# Altium PCB BC2087.PcbDoc (part 3 of 6)
Units mil, origin at the board's own origin, x right, y up, seen from the top; angles counter-clockwise.
Board outline 7401.57 x 1181.1 mil, 6 copper layers (Top Copper, Signal Layer 1, Signal Layer 2, Signal Layer 3, Signal Layer 4, Bottom Copper), stack 62.874 mil thick; 302 components, 237 nets, 1184 pads, 867 vias.
Unrouted connection lines stored in the file: 315.
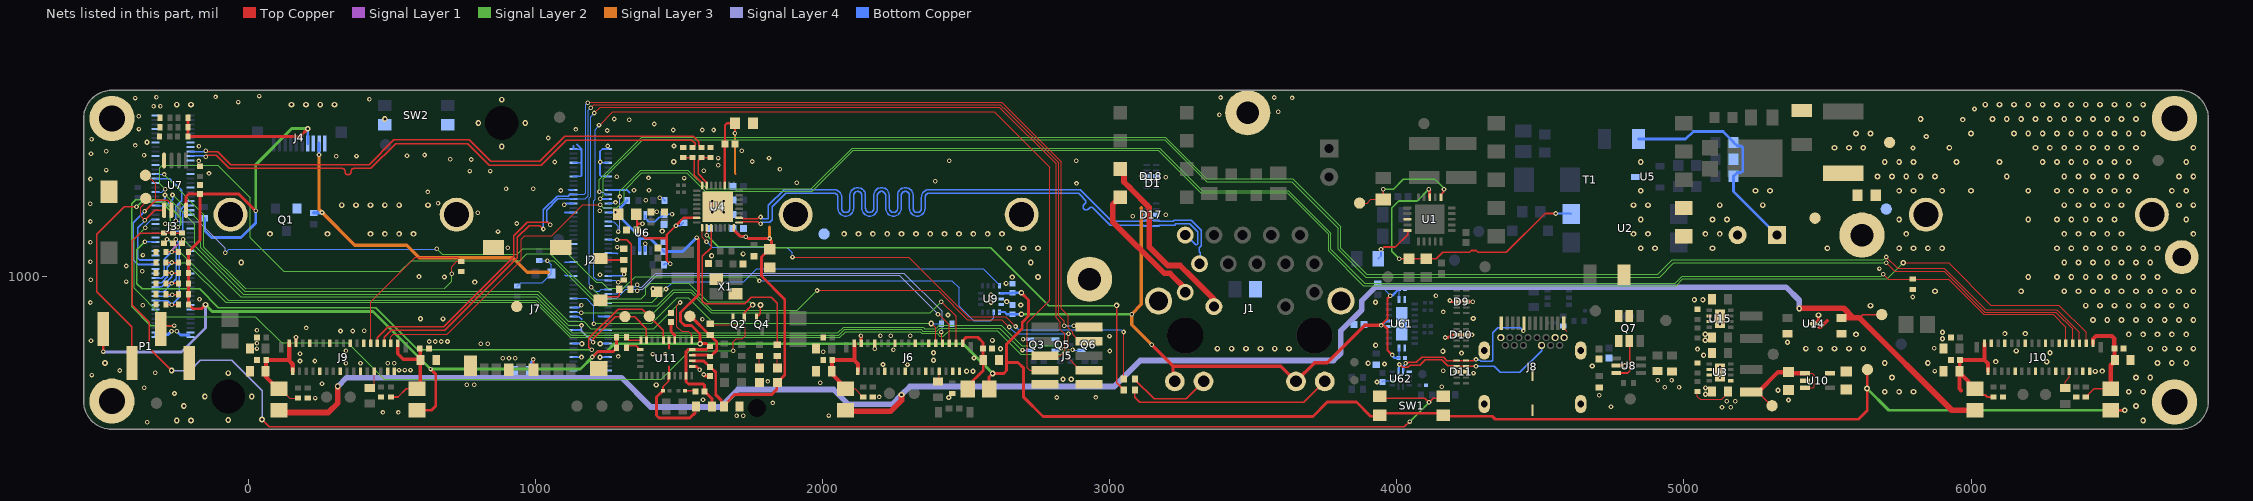
[diagram p7: the nets of this part, all layers, seen from the top]

## Via types
v1: diameter 20, hole 10, Top Copper to Bottom Copper, 273 vias
v2: diameter 16, hole 8, Top Copper to Bottom Copper, tented both sides, 243 vias
v3: diameter 15.98, hole 7.99, Top Copper to Bottom Copper, tented both sides, 201 vias
v4: diameter 18, hole 8, Top Copper to Bottom Copper, tented both sides, 70 vias
v5: diameter 16, hole 7.95, Top Copper to Bottom Copper, tented both sides, 36 vias
v6: diameter 20, hole 10, Top Copper to Bottom Copper, tented both sides, 26 vias
v7: diameter 16, hole 8, Top Copper to Bottom Copper, 17 vias
v8: diameter 19.68, hole 11.81, Top Copper to Bottom Copper, tented both sides, 1 vias

## Nets (pads, with @x,y where several pads share a name; then routed paths per layer and width w, separated by ;. In a path a pad name is that pad's centre, name@x,y a point inside that pad or via, vN(x,y) a via of type N, cw(c..) or ccw(c..) an arc to the next point about the centre after c; other vN are vias at no path point) (continued)
1V8: C12.2 C18.2 C19.2 C52.2 C60.2 C120.2 FB5.1 FB8.1 FB11.1 J4.7 P1.1 R1.2 R2.2 R7.2 R9.2 R16.2 R31.2 R50.2 R68.2 R72.1 R73.1 R79.1 R128.2 R129.2 R130.2 SW1.2 SW1.4 TP16.1 U6.3 U7.8 U9.5 U10.5 U11.5 U11.28 | length 11933.2
  Top Copper w10: P1.1@-506.43,818.06 -506.43,740.43 v2(-506,740) ; U7.8@-217.52,1232.28 -217.52,1280.29 -208.68,1289.13 C120.2@-169.29,1289.13 ; R130.2@-210.63,1554.35 -211.12,1553.85 -211.12,1489.67 R129.2@-211.61,1489.17 179.17,1489.17 v6(206,1516) ; v6(-150,903.41) -164.41,889 -194.06,889 R1.2@-208.66,903.6 R2.2@-208.66,939.96 R7.2@-208.66,977.36 R9.2@-208.66,1013.78 R16.2@-208.66,1050.2 R68.2@-208.66,1086.61 -208.66,1088.58 -169.29,1127.95 C120.2@-169.29,1289.13 ; v5(25,1230) -34.13,1289.13 C120.2@-169.29,1289.13 ; FB8.1@586.61,535.43 637.43,535.43 652,550 652,661 v5(634,679) ; v5@1197.86,721 1216.86,740 1270.25,740 1281.28,751.03 R73.1@1281.28,753 R72.1@1281.28,790 ; v5(1561,1137) 1567,1131 1567,938 1505,876 1505,845 1519.21,830.79 1543.2,830.79 1573,800.98 v6(1573,767) 1574.05,768.05 1594.7,768.05 R31.2@1605.03,757.72 ; R31.2@1607,757.72 R31.2@1605.03,757.72 ; C18.2@1614.32,548.35 1614.32,575.43 C19.2@1588.75,601 1588.75,622.39 1584.14,627 1532,627 1523.9,635.1 U11.28@1523.9,656 1523.9,740.75 1530.19,747.05 U11.5@1546.04,747.05 1594.36,747.05 R31.2@1605.03,757.72 ; FB11.1@2579.61,610.24 2579.61,651.55 v6(2592,663.94) 2630.47,663.94 2640,673.47 2640,701.74 ; v6(2691.86,944.88) 2717,919.75 2717,863.6 2695,841.6 2695,820.59 2640,765.59 2640,701.74 ; 5638.56,536.95 5638.56,534.56 ; TP16.1@5638.56,676.56 5638.56,534.56 ; FB5.1@6486.76,535.43 v6(6535.57,535.43) ; 2640,701.74 2680.26,701.74 2700,682 2700,581 2767,514 3707.62,514 3757.62,564 3859,564 3908.24,514.76 3937.08,514.76 3941,510.84 3955.16,525 4147.32,525 4161.47,510.84 4165.39,514.76 4332.24,514.76 4343,504 5608,504 5638.56,534.56
  Signal Layer 2 w10: v6(-150,903.41) -126.59,880 433,880 v5(634,679) 1156,679 v5@1197,720 ; v5(25,1230) 25,1391 150.5,1516.5 205.5,1516.5 v6(206,1516) ; v5(1197,721) 1216,740 1247,740 1274,767 v6(1573,767) 2488.94,767 v6(2592,663.94) ; v6(5638,611) 5713.57,535.43 v6(6535.57,535.43)
  Signal Layer 4 w10: v2(-506,740) -504,738 -233.56,738 -150,821.56 v6(-150,903.41)
  Bottom Copper w10: R79.1@-153.29,1203.61 -153.29,1161.6 -128.7,1137 -26,1137 25,1188 v5(25,1230) ; J4.7@206.03,1465.03 v6(206,1516) ; R50.2@1318.5,1266.18 1318.5,1264.21 1297.68,1243.39 1297.68,1205.5 1362.09,1141.09 1362.09,1133 ; U6.3@1362.09,1092.12 1362.09,1133 ; v5(1561,1137) 1512.18,1088.18 C52.2@1446.73,1088.18 1439.53,1095.39 1437.61,1095.39 1400,1133 1362.09,1133 ; U9.5@2621.71,942.91 2621.79,942.99 2659.53,942.99 C12.2@2661.42,944.88 v6(2691.86,944.88)
  other v4: 2527,717.75
1V8_CAM_M: C71.2 C72.2 FB11.2 J6.1 | length 275.2
  Top Copper w9.84: J6.1@2488.04,768.34 2489.02,769.32 2489.02,778.54 2500.07,789.59 2540.21,789.59 2557.84,771.95 C71.2@2557.84,750.22 2558.54,749.52 C72.2@2558.54,711.24 ; FB11.2@2504.81,610.24 2504.81,619.67 2559.23,674.1 C72.2@2559.23,710.55
1V8_L: C80.2 C81.2 FB5.2 J10.1 R35.1 | length 379
  Top Copper w5.91: R35.1@6399.75,581.69 6401.72,581.69 6407.63,587.6 6407.63,589.57 6428.29,610.24 FB5.2@6486.76,610.24
  Top Copper w15: J10.1@6425.05,768.34 6425.2,768.49 6425.2,783.46 6435.77,794.04 6490.43,794.04 6499.22,785.25 C80.2@6499.22,750.22 6500.2,749.23 6500.2,711.53 C81.2@6501.19,710.55 6501.19,706.61 6486.76,692.18 FB5.2@6486.76,610.24
1V8_R: C86.2 C87.2 FB8.2 J9.1 R40.1 | length 372.5
  Top Copper w5.91: R40.1@495.79,581.69 520.67,581.69 549.21,610.24 FB8.2@586.61,610.24
  Top Copper w11.81: J9.1@519.54,768.34 519.54,732.28 539.22,712.6 596.49,712.6 C87.2@598.55,710.55 ; FB8.2@586.61,610.24 598.43,622.05 598.43,710.42 C87.2@598.55,710.55 ; C86.2@596.46,750.22 597.5,749.17 597.5,711.59 C87.2@598.55,710.55
2V8: C66.2 FB4.1 FB7.1 FB10.1 TP23.1 U14.1 | length 6907.7
  Top Copper w5.91: 5611.22,857.28 5622.54,868.6 TP23.1@5688.98,868.6
  Top Copper w11.81: 5470.47,823.82 5475.39,823.82 5499.02,847.44
  Top Copper w19.68: FB7.1@106.3,535.43 114.17,527.56 277.63,527.56 310.93,560.86 v8(310.93,618.46) ; FB10.1@2079.46,535.43 2083.39,531.5 2236.22,531.5 2274.55,569.82 2274.55,589.51 v6(2274.61,589.57) ; v6@5401.68,889.87 5401.72,889.82 5402.64,890.75 5556.86,890.75 5590.32,857.28 ; C66.2@5549.21,857.28 5590.32,857.28 ; FB4.1@6013.85,535.43 5933.07,535.43 5611.22,857.28 5590.32,857.28
  Signal Layer 4 w19.68: v8(310.93,618.46) 341.47,649 1298.88,649 1400.88,547 1643.38,547 1704.38,608 2038,608 2090,556 2241.04,556 v6(2274.61,589.57) ; v6@2274.55,589.63 v6(2274.61,589.57) ; v6(5401.57,889.76) 5401.57,918.53 5355.54,964.57 3925.2,964.57 3877.95,917.32 3877.95,885.83 3805.12,812.99 3805.12,734.25 3779.53,708.66 3106.3,708.66 3015.75,618.11 2653.54,618.11 2653.19,618.46 2303.5,618.46 v6(2274.61,589.57)
2V8_CAM_M: C75.2 C77.2 FB10.2 J6.32 J6.33 R60.1 | length 373.9
  Top Copper w4: FB10.2@2079.46,610.24 2112.68,610.24 2132.63,590.29 2132.63,588.32 2139.49,581.46 R60.1@2141.46,581.46
  Top Copper w13.78: FB10.2@2079.46,610.24 2079.46,614.23 2031.6,662.09 C77.2@2031.6,671.48 2032.38,672.26 2032.38,709.76 C75.2@2033.16,710.55 2108.33,710.55 ; J6.33@2110.09,768.34 2110.09,712.3 2108.33,710.55 ; J6.32@2122.19,671.88 2122.19,696.68 2108.33,710.55
2V8_L: C82.2 C83.2 FB4.2 J10.32 J10.33 R71.2 | length 454.7
  Top Copper w7.87: FB4.2@6013.85,610.24 6035.5,588.58 6049.3,588.58 6056.19,581.69 R71.2@6078.82,581.69
  Top Copper w13.78: 5965.8,604.89 5959.74,610.95 C83.2@5959.74,667.54 ; FB4.2@6013.85,610.24 6009.91,610.24 5991.21,628.94 5991.21,636.07 C83.2@5959.74,667.54 ; J10.33@6047.1,768.34 6047.1,710.55 ; J10.32@6059.2,671.88 6059.2,698.44 6047.1,710.55 ; C83.2@5959.74,667.54 C83.2@5959.74,671.48 5960.72,672.46 5960.72,709.56 C82.2@5961.71,710.55 6047.1,710.55
2V8_R: C88.2 C89.2 FB7.2 J9.32 J9.33 R41.2 | length 383.7
  Top Copper w4: FB7.2@106.3,610.24 110.24,610.24 142.72,577.76 R41.2@172.6,577.76
  Top Copper w15: FB7.2@106.3,610.24 102.36,610.24 59.47,653.13 C89.2@59.47,671.48 60.45,672.46 60.45,709.56 C88.2@61.44,710.55 138.67,710.55 ; J9.33@141.58,768.34 141.58,713.46 138.67,710.55 ; J9.32@153.69,671.88 153.69,695.52 138.67,710.55
3V3: C10.2 C15.2 C16.2 C17.2 C21.2 C34.2 C38.2 C39.2 C40.2 C41.2 C53.2 C55.2 C58.2 C59.2 C74.2 C97.2 D16.2 J1.15 J1.17 J4.9 J7.4 L4.2 R28.1 R29.1 R33.2 R46.1 R49.1 R186.2 TP7.1 U3.5 U4.11 U4.23 U4.32 U6.7 U9.8 U10.1 U10.3 U11.3 U61.1 U61.6 U61.10 | length 6595.4
  Top Copper w4: R33.2@5047.24,600.7 5047.24,582.76 5057,573 5132.39,573 5153.54,594.15 C15.2@5153.54,600.7 ; U10.3@5422.24,613.35 5450.79,613.35 5454.72,617.28 5454.72,656.65 5446.85,664.53 U10.1@5422.24,664.53
  Top Copper w5.91: L4.2@5257.87,598.73 TP7.1@5294.44,562.16 ; TP7.1@5295.28,562.99 TP7.1@5300.68,557.58 ; TP7.1@5300.68,560.29 TP7.1@5300.68,557.58 ; TP7.1@5307.09,551.18 TP7.1@5300.68,557.58
  Top Copper w7.87: v3(992.13,712.6) 992.13,676.4 J7.4@992.34,676.18 ; C21.2@1352.66,1219.93 1352.66,1186.71 ; v3(1372.32,1185.63) 1353.74,1185.63 1352.66,1186.71 ; v3(1468.5,1046) 1468.5,1046.46 1456.81,1058.15 1456.81,1134.91 ; U4.23@1561.32,1205.67 1515.21,1205.67 1488.83,1179.29 v3(1488.83,1178.46) 1487.94,1178.46 1456.81,1147.33 1456.81,1134.91 ; C40.2@1657.52,1464.3 C40.2@1659.58,1462.25 ; U4.11@1658.76,1318.86 1658.76,1461.43 C40.2@1659.58,1462.25 ; v3(1694.2,1500.23) 1694.04,1500.39 C39.2@1694.04,1535 1666.32,1535 1659.58,1528.26 C40.2@1659.58,1462.25 ; v3(3945.31,831) 3945.31,832.28 v3@3949.41,836.38 ; v3(3976.51,933.95) 3967.36,924.81 3967.36,854.33 v3@3949.41,836.38 ; v3(3983.61,728.35) 3967.36,744.59 3967.36,818.43 v3@3949.41,836.38 ; 1352.66,1186.71 C34.2@1352.66,1163.86 1381.61,1134.91 1456.81,1134.91
  Top Copper w9.84: U4.32@1691.24,1162.36 1712.19,1141.41 1731.11,1141.41 v3(1732.28,1140.24) 1733.95,1140.24 1740.32,1133.86 v3(1814.96,1133.86) 1814.96,1132.19 1821.49,1125.67 1821.49,1102.76 C38.2@1814.96,1096.24 1812.99,1096.24 1786.35,1069.6 1786.35,1003.1 1867.72,921.74 1867.72,658.62 D16.2@1841.97,632.87
  Top Copper w10: U11.3@1546.04,707.68 1585.07,707.68 C17.2@1607,685.75 1612.24,680.51 1614.49,680.51 1627.24,667.76 1627.24,589.76 1646.66,570.34 1646.66,557.13 C16.2@1655.44,548.35 1655.44,552.29 1664.22,561.07 1664.64,561.07 1694.57,591 1823,591 1839.98,607.98 1839.98,630.89 D16.2@1841.97,632.87
  Top Copper w11.81: v3(3145.67,763.78) 3220.26,689.19 ; J1.15@3226.57,635.89 3220.26,642.2 3220.26,689.19 ; v3(3945.31,831) 3887.35,831 3757.14,700.79 3713.52,700.79 J1.17@3648.62,635.89 3595.32,689.19 3220.26,689.19
  Top Copper w15.75: L4.2@5234.25,598.73 5257.87,598.73 5327.83,668.69 C59.2@5364.17,668.69 5368.33,664.53 U10.1@5422.24,664.53
  Signal Layer 2 w10: v6(2691.86,870.08) 3075.64,870.08 v3(3076,870.44)
  Signal Layer 3 w5: 1812.94,1176.07 1814.96,1174.05
  Signal Layer 3 w5.91: v3(1694.2,1500.23) 1694.2,1360.81 1696.33,1358.67
  Signal Layer 3 w9.84: v3(1814.96,1133.86) 1814.96,1174.05
  Signal Layer 3 w11.81: v3@245.43,1424.06 245.43,1234.88 v3(255.77,1224.54) 370.08,1110.24 551.18,1110.24 594.49,1066.93 920.18,1066.93 971.36,1015.75 1043.31,1015.75 ; 3110,1240.73 3110,904.44 v3(3076,870.44) 3076,833.45 v3(3145.67,763.78)
  Bottom Copper w4: R186.2@3933.54,977.26 3942.37,968.44 3945.31,968.44 v3@3974.21,939.53 ; v3@3974.21,939.49 v3@3976.47,937.24 ; C97.2@4006.09,956.69 C97.2@4006.88,956.69 4007.52,956.05 U61.10@4007.52,921.55 ; C58.2@4006.34,717.61 4007.52,718.79 U61.1@4007.52,752.26
  Bottom Copper w4.02: v3(3976.51,933.95) v3@3976.51,937.24
  Bottom Copper w5: U6.7@1381.77,1214.17 1381.77,1204.32 1389.05,1197.04 1389.05,1195.73 1392.86,1191.92 1414.76,1191.92 1431.33,1208.49 1437.12,1208.49 C53.2@1446.73,1218.1 1447.26,1218.63 v3(1475.13,1218.63) ; v3(1488.83,1178.46) 1503.26,1178.46 1513.78,1188.98 R29.1@1515.75,1188.98 ; C41.2@1688.2,1169.33 1716.79,1140.74 1731.78,1140.74 v3(1732.28,1140.24)
  Bottom Copper w5.91: v3(1432.28,1275.59) 1440.94,1275.59 1448.82,1267.72 R49.1@1448.82,1266.18 ; R46.1@1446.73,1042.91 1449.82,1046 v3(1468.5,1046) ; C74.2@3885.83,834.65 3889.47,831 v3(3945.31,831) 3947.24,832.93 3951.38,832.93 3965.2,846.75 U61.6@3972.09,846.75
  Bottom Copper w7.87: C55.2@984.25,669.69 984.25,702.53 992.13,710.4 v3(992.13,712.6) ; U9.8@2615.31,877.46 2633.8,877.46 2641.18,870.08 C10.2@2661.42,870.08 v6(2691.86,870.08) ; v3(3976.51,933.95) 3978.06,935.51 3984.9,935.51 C97.2@4006.09,956.69 ; v3(3983.61,728.35) 3985.16,726.79 3985.16,724.42 3991.98,717.61 C58.2@4006.34,717.61
  Bottom Copper w11.81: R28.1@226.42,1222.99 253.09,1222.99 254.64,1224.54 v3(255.77,1224.54) ; v3(245.43,1425.2) J4.9@245.43,1465
  other v2: 5132.68,545.77 5163.39,545.77 5149.61,566.93 5178.35,566.93
5V_LED: D6.2 R55.1 | length 44
  Top Copper w4: R55.1@1779.53,724.41 1779.53,686.02 D6.2@1783.46,682.09
5V_PoE: C7.1 C9.2 C26.2 L1.2 Q7.1 Q7.2 Q7.5 Q7.6 R14.2 R24.2 TP6.1 U8.3 | length 942.6
  Top Copper w5.91: U8.3@4763.78,665.35 4804.68,665.35 4811.39,672.07 4811.39,776.21 Q7.2@4810.04,777.56
  Bottom Copper w9.84: C26.2@4842.09,1480.31 5006.01,1480.31 5032.71,1507.02 5136.68,1507.02 5173.23,1470.47 R14.2@5173.23,1468.5 5173.23,1468.43 5186.02,1455.64 5198.96,1455.64 5204.72,1449.87 5204.72,1369.02 5198.96,1363.26 5186.02,1363.26 5173.23,1350.46 R24.2@5173.23,1350.39 5173.23,1297.24 C7.1@5324.8,1145.67
2485_PGOOD: J2.37 J5.5 Q2.1 | length 3825.1
  Top Copper w4.02: v3(1204.4,1571.11) 1224.62,1591.33 2615.26,1591.33 2812.99,1393.6 2812.99,857.71 2827.86,842.84 2827.86,816.81 2842.29,802.38 2842.29,773.56 2842.43,773.41 2842.43,741.18 2826.65,725.39 J5.5@2774.61,725.39
  Top Copper w5: Q2.1@1726.68,859.02 1726.68,875.6 1753.84,902.75 v6(1756,902.75)
  Signal Layer 2 w4.02: v3(1194,964) 1234,924 1367.98,924 1384,940.02 1384,963 1399,978 1534,978 1599,913 1745.75,913 v6(1756,902.75)
  Bottom Copper w4.02: v3(1204.4,1571.11) 1204.4,1570.55 1191.36,1557.51 1191.36,1279.64 1186.72,1275 1186.72,974.51 1194,967.24 v3(1194,964) 1207.44,950.56 1221.91,950.56 1228.04,956.69 J2.37@1252.95,956.69
2485_WAKEUP: J2.41 J5.7 R62.1 | length 3119.3
  Top Copper w4.02: v3(1220.54,1528.98) 1223.07,1528.98 1269.38,1575.3 2597.93,1575.3 2791.34,1381.89 2791.34,918.31 2712.6,839.57 2712.6,684.13 2721.34,675.39 J5.7@2774.61,675.39
  Top Copper w6: v3(1287.4,981.49) 1289.31,983.4 1301.76,983.4 R62.1@1307.09,988.73
  Bottom Copper w4.02: v3(1220.54,1528.98) 1220.54,1525.86 1208.09,1513.41 1208.09,1271.25 1202.76,1265.92 1202.76,999.02 1212.05,989.72 1251.42,989.72 1254.49,986.65 1256.02,988.19 1277.46,988.19 1284.16,981.49 v3(1287.4,981.49)
BMI270_INT_1V8: J3.66 U9.4 | length 3456.8
  Signal Layer 2 w4: v5(-290.42,1305.59) -310,1325.17 -310,1380 -301.35,1388.65 -107.15,1388.65 6.18,1275.32 6.18,1136 123.18,1019 529,1019 566.61,1056.61 944.61,1056.61 969.43,1081.43 1051.57,1081.43 1222,911 1407,911 v2(1454,958)
  Bottom Copper w4: -309.72,1295.28 -302.35,1295.28 -292.03,1305.59 v5(-290.42,1305.59) ; v2(1454,958) 1479.42,983.42 1724.42,983.42 1770,1029 2559.74,1029 2615.31,973.43 U9.4@2615.31,969
  Bottom Copper w5: J3.66@-324.02,1295.28 -309.72,1295.28
BMI270_WAKE_1V8: J3.72 U9.9 | length 3348.3
  Signal Layer 2 w4: v3(655.51,1098.43) 674.94,1079 936.73,1079 955.17,1097.44 1094.51,1097.44 1210.95,981 1231,981 1252,960 1305.44,960 1346.86,1001.42 1764.11,1001.42 v3(1779.53,986)
  Signal Layer 4 w4: v3(-253.94,1195.8) -251.64,1193.5 -242.23,1193.5 -241.28,1192.55 -174.35,1192.55 -81.69,1099.9 v3(-81.69,1084.65)
  Bottom Copper w4: v3(-81.69,1084.65) -80.4,1084.65 -68.59,1096.46 653.54,1096.46 v3(655.51,1098.43) ; v3(1779.53,986) 1780.53,987 2449.91,987 2475,961.91 2475,898.5 2526.5,847 2585,847 2595.63,857.63 U9.9@2595.63,877.46
  Bottom Copper w5: J3.72@-324.02,1342.52 -300.01,1342.52 -274.42,1342.51 -233,1301.09 -233,1264.99 -253.94,1244.05 v3(-253.94,1195.8)
BNO08x_BOOTN_1V8: J3.54 R32.2 | length 2775.7
  Top Copper w4: R32.2@1608,836.69 1611.68,833 1721.42,833 1730.42,824 1730.42,795.42 1719,784 1698.4,784 1688,773.6 v2(1688,742.95)
  Signal Layer 2 w4: v2(-360,1171.49) -398,1133.49 -398,960 -300,862 24,862 116,770 346.28,770 472.36,643.92 1436.92,643.92 1535.95,742.95 v2(1688,742.95)
  Bottom Copper w4: v2(-360,1171.49) -360,1178.39 -337.6,1200.79 J3.54@-324.02,1200.79
BNO08x_BOOTN_1V8_1: R31.1 R32.1 TP26.1 U11.4 | length 258.9
  Top Copper w10: TP26.1@1537,862.91 1540.44,862.91 1606.03,797.32 R32.1@1609.97,797.32 ; U11.4@1546.04,727.36 1599.95,727.36 1605.03,722.28 1608.97,722.28 1631,744.32 1631,773 1608,796 R32.1@1608,797.32
BNO08x_INT_1V8: J3.62 TP35.1 U11.14 | length 2095.1
  Top Copper w5: v5(1200,772) v5(1200,772) 1199.96,783.96 1277.91,861.91 TP35.1@1311.02,861.91 1344.37,861.91 1386.1,820.17 U11.14@1386.1,779.04
  Signal Layer 2 w4: v5(-291,1285.43) -188.3,1182.73 -188.3,1109.3 -18,939 1004.89,939 1112.89,831 v5(1159.74,831)
  Signal Layer 4 w5: v5(1159.74,831) 1159.51,830.76 1159.51,812.49 v5(1200,772)
  Bottom Copper w5: J3.62@-324.02,1263.78 -301.64,1263.78 -291,1274.42 v5(-291,1285.43)
BNO08x_RSTn_1V8: J3.44 TP34.1 U11.11 | length 2285.2
  Top Copper w5: v5(1195,746) 1193.78,746 1185.5,754.28 1185.5,785.5 1288.09,888.09 1370.81,888.09 1445.16,813.75 U11.11@1445.16,779.04
  Signal Layer 2 w5: v5(-361.07,1122.05) -389,1094.12 -389,977 -370,958 -170,958 -105,893 443,893 590,746 v5(1195,746)
  Bottom Copper w6: v5(-361.07,1122.05) J3.44@-324.02,1122.05
BNO08x_WAKE_1V8: J3.60 U11.6 | length 2302.7
  Top Copper w4: v2(1503,911) 1492,900 1492,827.22 1509.12,810.1 1531.73,810.1 1543.58,798.24 U11.6@1543.58,779.04
  Signal Layer 2 w4: v5(-265,1285.28) -263.28,1285.28 -166,1188 -166,1102 -13.5,949.5 1008.32,949.5 1112.82,845 1167,845 1192,820 1412,820 v2(1503,911)
  Bottom Copper w5: J3.60@-324.02,1248.03 -287.97,1248.03 -265,1271 v5(-265,1285.28)
BOOT0/LED_B: J3.26 Q6.1 R16.1 R23.2 | length 3489
  Top Copper w5: R23.2@-287.4,1050.2 v3(-267.81,1050.2) R16.1@-246.06,1050.2
  Signal Layer 2 w4: v3(-267.81,1050.2) -219.2,1050.2 -80,911 998.95,911 1107.95,802 1120.95,789 2059.63,789 2079.63,809 2339.69,809 2345.69,803 2398.45,803 2408.1,793.35 2420.73,793.35 2440.38,813 2607.38,813 2689.3,731.08 2828.91,731.08 2843.7,745.87 v3(2870.25,745.87)
  Bottom Copper w4: v3(2870.25,745.87) 2871.14,744.98 2901.28,744.98 Q6.1@2902.17,744.09
  Bottom Copper w5: J3.26@-324.02,980.32 -302.39,980.32 -282.92,999.79 -282.92,1034.08 -267.81,1049.19 v3(-267.81,1050.2)
BOOT1: J3.24 R9.1 R22.2 | length 126
  Top Copper w5: R22.2@-287.09,1013.78 v3(-267.81,1013.78) ; v3@-267.81,1012.73 -247.11,1012.73 R9.1@-246.06,1013.78
  Bottom Copper w5: J3.24@-324.02,964.57 -322.97,965.61 -302.39,965.61 -267.81,1000.19 v3(-267.81,1013.78)
BOOT2/LED_R: J3.22 Q3.1 R7.1 R21.2 R45.2 | length 3497.7
  Top Copper w5: R45.2@-294.29,1117.13 -292.32,1117.13 -285.96,1123.49 -285.96,1129.91 v3(-284.17,1131.7) ; R21.2@-287.09,977.36 v3(-267.81,977.36) R7.1@-246.06,977.36
  Signal Layer 2 w4: v3(-284.17,1131.7) -71.47,919 1002.26,919 1110.26,811 1124.26,797 2056.31,797 2076.31,817 2343,817 2349,811 2396.75,811 2407.59,821.84 2617.16,821.84 2693.92,745.08 v3(2695.87,745.08)
  Bottom Copper w4: v3(2695.87,745.08) 2696.36,744.59 2722.15,744.59 Q3.1@2722.64,744.09
  Bottom Copper w5: J3.22@-324.02,948.82 -296.35,948.82 v3(-267.81,977.36) -252,993.17 -252,1102.21 -281.5,1131.7 v3(-284.17,1131.7)
BOOT3: J3.20 R2.1 R20.2 | length 104.9
  Top Copper w5: R20.2@-287.09,939.96 -285.12,937.99 v3(-265.75,937.99) -246.06,937.99 R2.1@-244.09,939.96
  Bottom Copper w5: J3.20@-324.02,933.07 -273.65,933.07 -268.72,937.99 v3(-265.75,937.99)
BOOT4: J3.18 R1.1 R19.2 R44.2 | length 368.8
  Top Copper w5: R19.2@-287.4,903.6 -287.21,903.41 v3(-267.67,903.41) ; v3@-267.67,903.6 -246.06,903.6 R1.1@-246.06,905.57 ; R44.2@-262.8,1117.13 -260.83,1117.13 -254.47,1123.49 -254.47,1130.89 v3(-253.66,1131.7)
  Bottom Copper w5: J3.18@-324.02,917.32 -281.58,917.32 v3(-267.67,903.41) -242,929.08 -242,1117.06 -253.66,1128.72 v3(-253.66,1131.7)
BOOT7/LED_G: J3.28 Q5.1 R68.1 R80.2 R81.2 | length 3507.7
  Top Copper w5: R81.2@-287.4,1087.01 v3(-267.67,1087.01) -244.49,1087.01 R68.1@-244.09,1086.61 ; R80.2@-232.28,1117.13 -228.26,1121.15 v3(-228.26,1131.7)
  Signal Layer 1 w5: v3(-267.67,1087.01) -265.56,1089.11 -265.56,1094.4 v3(-228.26,1131.7)
  Signal Layer 2 w4: v3(-228.26,1131.7) -27.56,931 1001.57,931 1127.57,805 2053,805 2073,825 2351,825 2356,820 2394.43,820 2405.43,831 2622.76,831 2693.18,760.59 2818.23,760.59 v3(2828.42,750.39)
  Bottom Copper w4: Q5.1@2811.61,744.09 2815.52,748 2822.98,748 2825.37,750.39 v3(2828.42,750.39)
  Bottom Copper w5: J3.28@-324.02,996.06 -301.92,996.06 -294,1003.98 -294,1060.67 v3(-267.67,1087.01)
BOOTSEL: R44.1 R45.1 R80.1 SW1.1 SW1.3 | length 5510.2
  Top Copper w5: v6(-268,674) -345.36,751.36 -345.36,841.36 -405,901 -405,1125.38 -377.82,1152.56 R45.1@-294.29,1152.56 -293.31,1153.54 -263.78,1153.54 R44.1@-262.8,1152.56 R80.1@-232.28,1152.56 ; v6(47,503) 72.57,477.43 4026.42,477.43 v7(4044.99,496) ; SW1.3@3941,577.77 4097.98,577.77 v7(4111.96,563.79) 4125.94,577.77 SW1.1@4161.47,577.77
  Signal Layer 2 w5: v7(4044.99,496) 4112,563.01 v7(4111.96,563.79) v7(4111.96,563.79)
  Signal Layer 4 w5: v6(-268,674) -204,674 -169,709 -59,709 47,603 v6(47,503)
BRIDGE_REFCLK_N: J3.81 R25.2 | length 1932.1
  Top Copper w5.12: v3(-149.61,1419.02) -145.43,1423.19 -112.8,1423.19 -67.76,1378.14 302.17,1378.14 325.59,1378.14 cw(c325.59,1367.71) 336.02,1367.71 336.02,1366.36 ccw(c346.46,1366.36) 346.46,1355.93 ccw(c346.46,1366.36) 356.89,1366.36 356.89,1367.71 cw(c367.32,1367.71) 367.32,1378.14 397.64,1378.14 425.39,1378.14 511.81,1464.57 763.04,1464.57 837.84,1389.76 1019.69,1389.76 1106.3,1476.38 1544.2,1476.38 1555.18,1465.4 1555.18,1460.64 R25.2@1545.91,1451.37
  Bottom Copper w5.12: J3.81@-202.76,1421.26 -201.28,1422.74 -153.33,1422.74 v3(-149.61,1419.02)
BRIDGE_REFCLK_P: J3.83 R6.2 | length 1926.2
  Top Copper w5.12: v3(-149.61,1439) -146.58,1435.98 -107.5,1435.98 -62.46,1390.93 420.09,1390.93 506.51,1477.36 768.33,1477.36 843.14,1402.55 1014.39,1402.55 1101,1489.17 1549.5,1489.17 1567.97,1470.7 1567.97,1460.64 R6.2@1577.24,1451.37
  Bottom Copper w5.12: J3.83@-202.76,1437.01 -201.28,1435.53 -153.08,1435.53 v3(-149.61,1439)
CAM_A_CLK_OUT: J2.28 J6.3 | length 1523.8
  Top Copper w4.02: v3(2413.39,913.39) 2464.42,862.35 J6.3@2464.42,768.34
  Signal Layer 2 w4.02: v3(1159.3,875) 1412,875 1483,946 1540,946 1611,875 2375,875 v3(2413.39,913.39)
  Bottom Copper w4.02: J2.28@1131.69,877.95 1133.17,876.48 1157.82,876.48 v3(1159.3,875)
CAM_A_PWDN_N: J2.34 J6.9 R70.2 | length 1506.2
  Top Copper w4: v6(2378,838) 2393.55,822.45 J6.9@2393.55,768.34
  Signal Layer 2 w4: v5(1203,837) 1204,838 1404,838 1493,927 1531,927 1620,838 v6(2378,838)
  Bottom Copper w4: J2.34@1131.69,925.2 1176.46,925.2 1203,898.65 v5(1203,837) ; v6(2378,838) 2379.24,836.76 R70.2@2414.48,836.76
CAM_B_CLK_OUT: J2.73 J9.3 J10.3 | length 6757.2
  Top Copper w4: J9.3@495.91,768.34 495.91,791.36 504.55,800 692,800 949.91,1057.91 949.91,1130.73 962.56,1143.37 1056.69,1143.37 1164.78,1251.46 v5(1224.85,1251.46) ; v6(5764,1049.43) 5921.66,1049.43 6069.1,902 6306,902 6401.43,806.57 J10.3@6401.43,768.34
  Signal Layer 2 w4: v5(1224.85,1251.46) 1236.15,1240.16 1283.16,1240.16 1308,1265 1308,1300.62 1370.29,1362.91 1527,1362.91 1591.61,1298.31 1963.31,1298.31 2105.82,1440.82 3169.18,1440.82 3317,1293 3617.69,1293 3762,1148.69 3762,1091.2 3883.2,970 4973.44,970 4996.44,993 5707.57,993 v6(5764,1049.43)
  Bottom Copper w4: v5(1224.85,1251.46) 1236.15,1240.16 J2.73@1252.95,1240.16
CAM_B_D_PWM: J2.65
CAM_B_PWDN_N: J2.67 J10.9 R37.1 | length 5728.7
  Top Copper w4: v2(5694.53,1009) 5711.4,992.13 5921.62,992.13 6044.05,869.7 6285.98,869.7 6330.56,825.12 J10.9@6330.56,768.34
  Signal Layer 2 w4: v3(1293.66,1280) 1293.66,1297.59 1366.98,1370.91 1530.66,1370.91 1595.27,1306.31 1960,1306.31 2102.51,1448.82 2103.82,1448.82 3174.18,1448.82 3322,1301 3621,1301 3770,1152 3770,1097 3889,978 4970.13,978 4994.13,1002 5687.53,1002 v2(5694.53,1009)
  Signal Layer 4 w4: v3(1287.4,1157.87) 1287.4,1159.95 1293.66,1166.21 v3(1293.66,1280)